# Altium PCB stm_intf_motor.PcbDoc
Units mm, origin at the board's own origin, x right, y up, seen from the top; angles counter-clockwise.
Board outline 73.75 x 57.5 mm, 2 copper layers (Top Layer, Bottom Layer); 51 components, 45 nets, 232 pads, 62 vias.
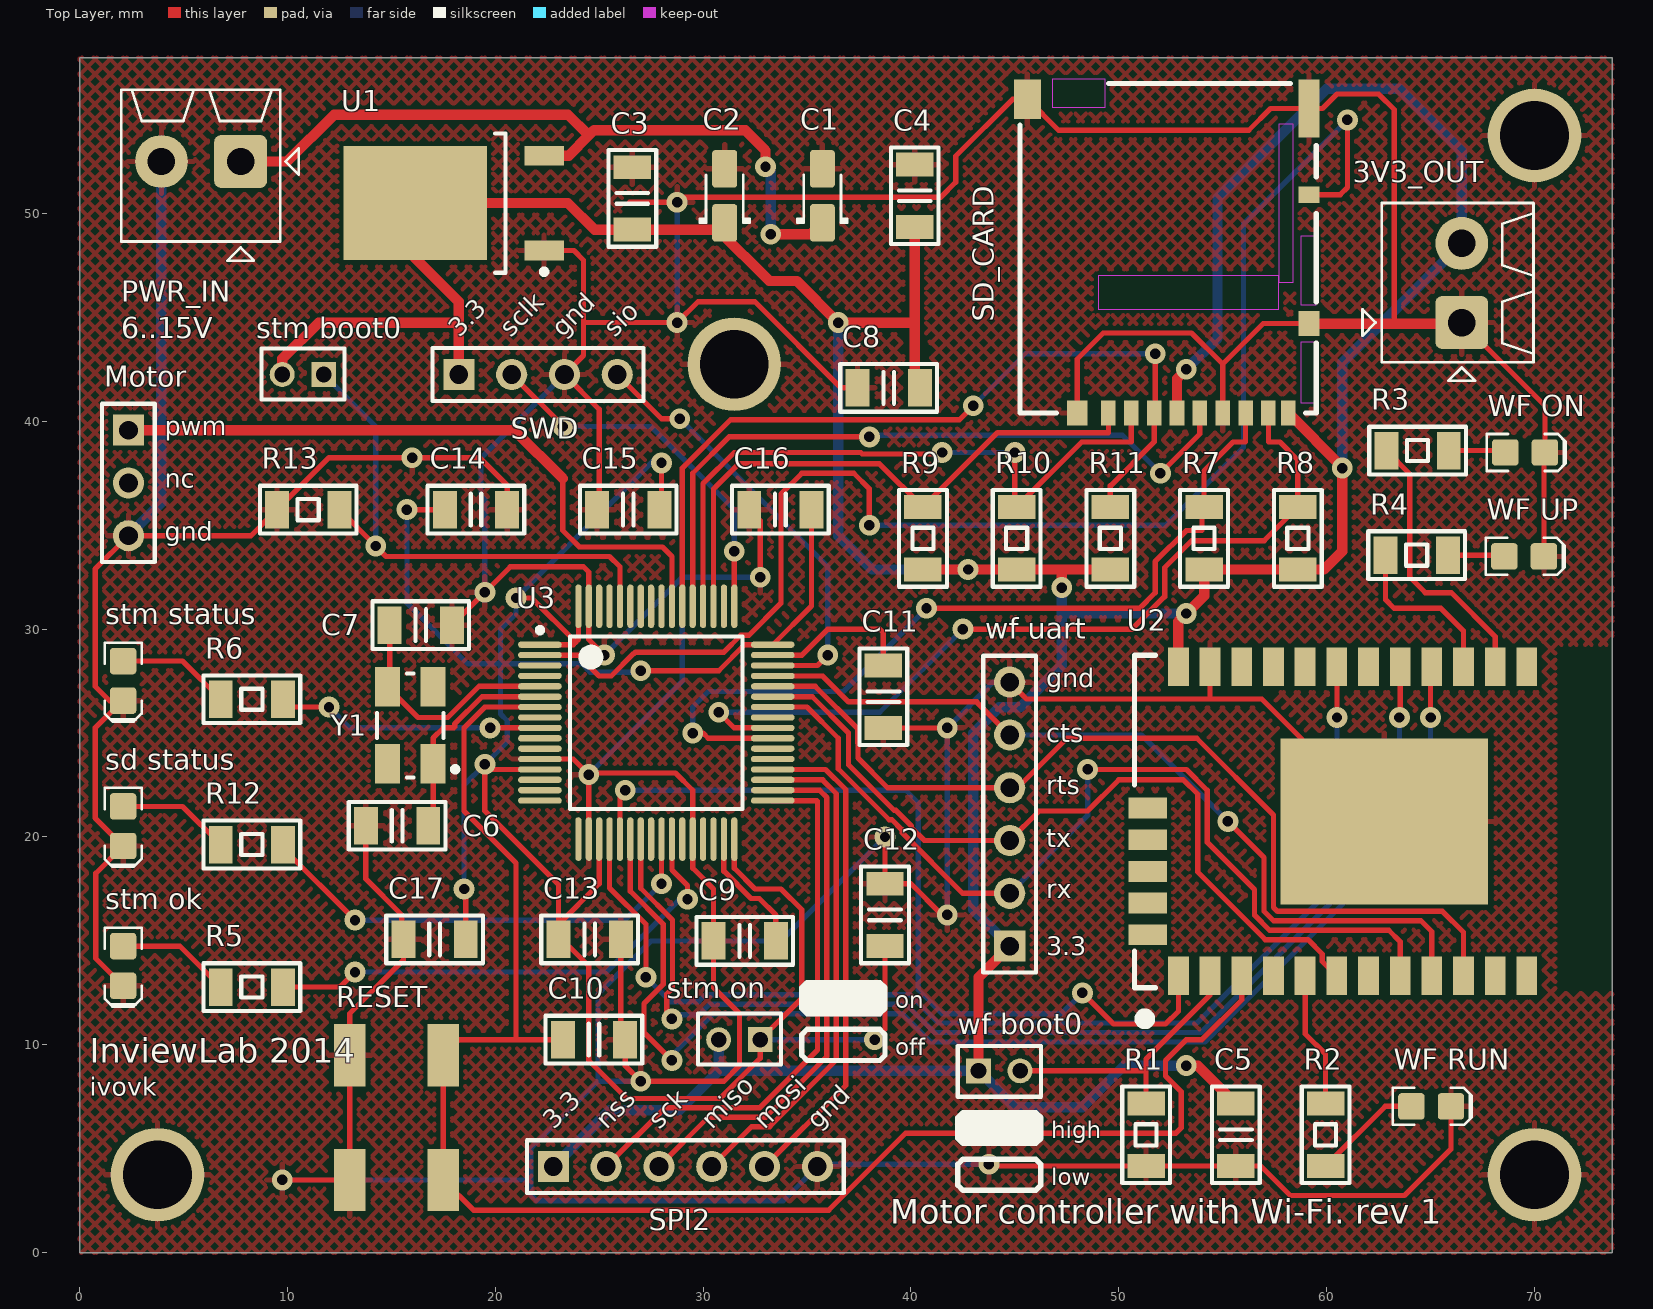
[diagram p0: Top Layer view]
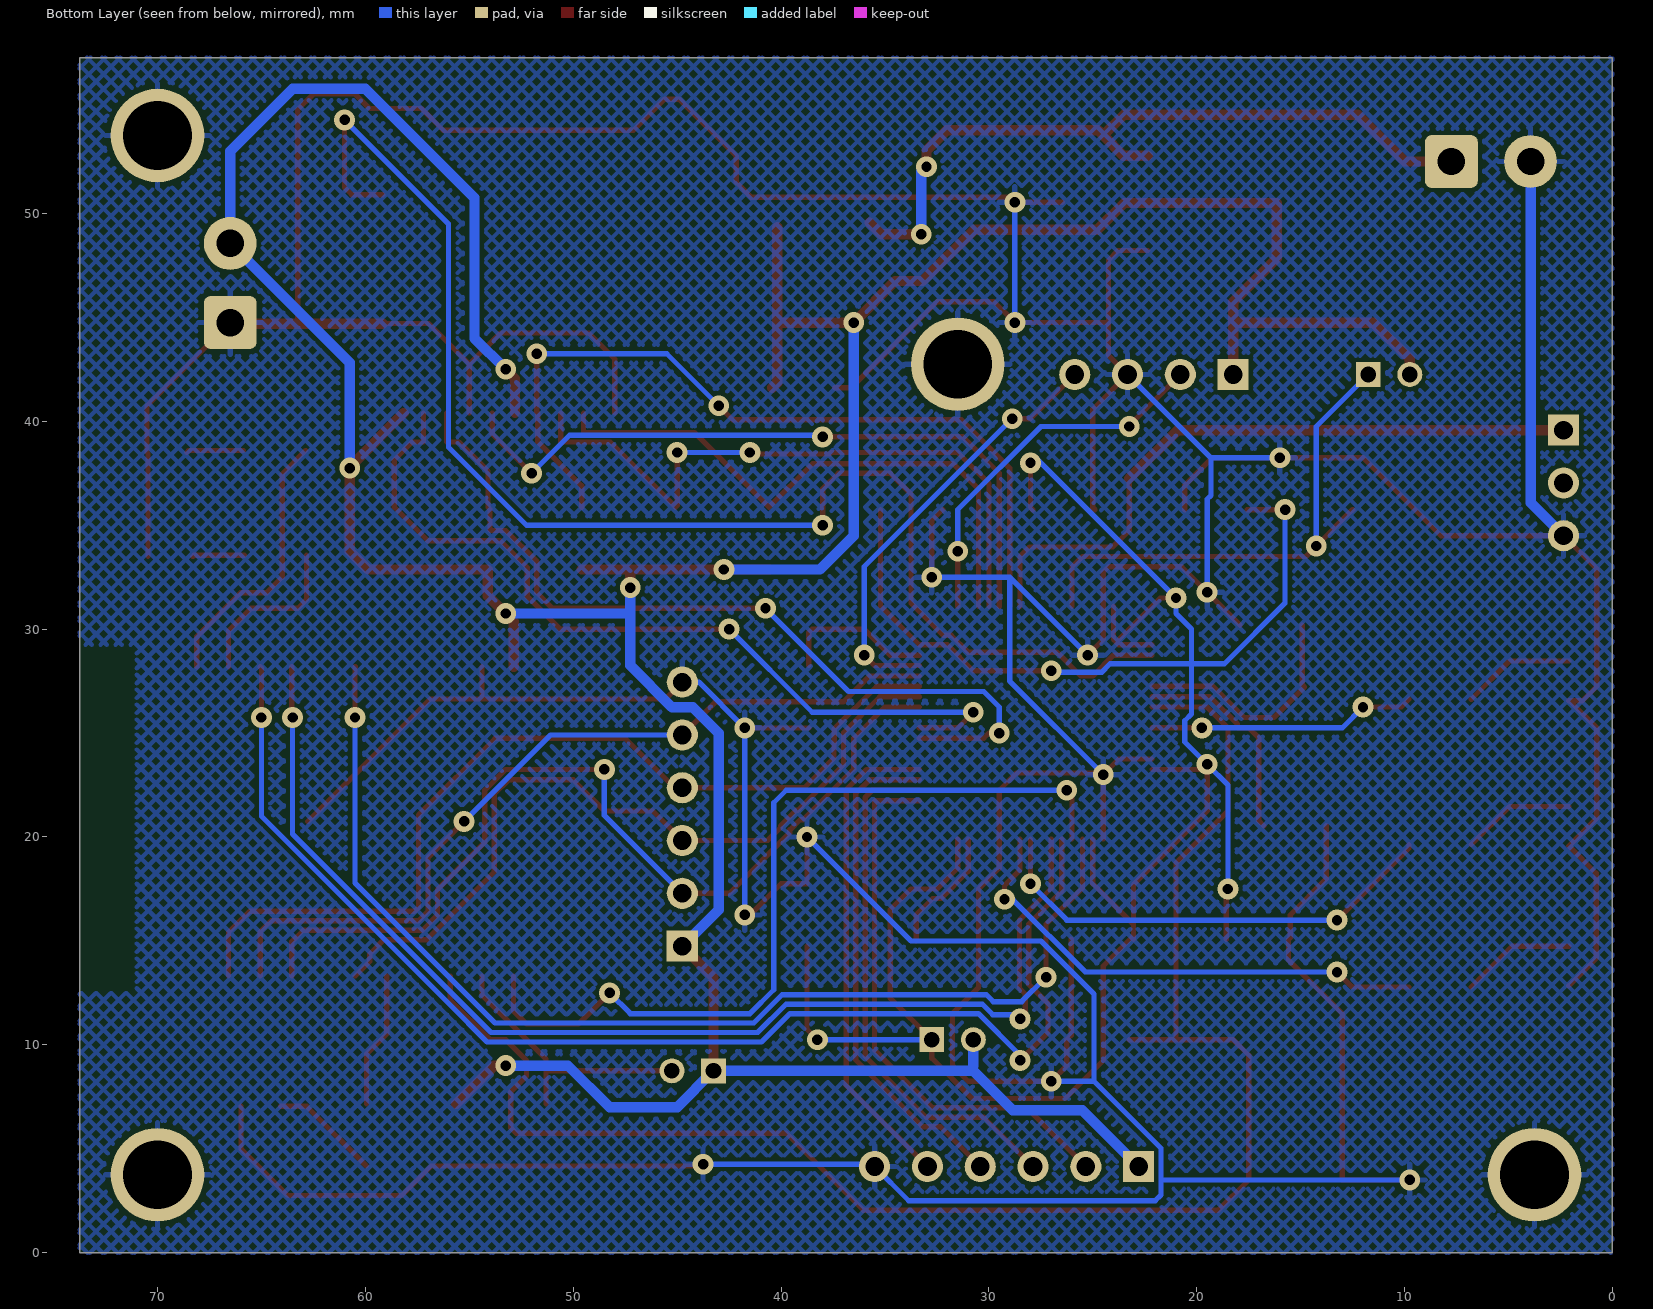
[diagram p1: Bottom Layer view, seen from below]

## Layer stack, top to bottom
Top Solder: solder mask 0.0102, Solder Resist, Dk 3.5
Top Layer: signal copper 0.0356
Dielectric 1: dielectric 0.32, FR-4, Dk 4.8
Bottom Layer: signal copper 0.0356
Bottom Solder: solder mask 0.0102, Solder Resist, Dk 3.5

## Board outline
0,0 0,57.5 73.75,57.5 73.75,0

## Design rules (kind name [scope] priority, off if disabled: settings)
Clearance Clearance_1 [Not InNetClass('STM') vs Not InNetClass('STM')] p1: gap=0.254 except(0.25: THPad-Fill SMDPad-Fill)
Clearance [InNetClass('STM')] p2: gap=0.2
PolygonConnect [All] p1: connectstyle=Relief reliefconductorwidth=0.254 reliefentries=4 polygonreliefangle="90 Angle" airgapwidth=0.254
RoutingVias [All] p1: holewidth=0.5 width=1 viastyle="Through Hole" minholewidth=0.3 minwidth=0.8 maxholewidth=0.7 maxwidth=1.2
SMDNeckDown [All] p1 off: percent=50.000
SilkToSolderMaskClearance [IsPad] p1: minsilkscreentomaskgap=0.15 clearancetoexposedcopper=TRUE
SolderMaskExpansion [All] p1: expansion=0.102
UnpouredPolygon [All] p1: allowunpoured=FALSE
Width Width_2 [All] p1: maxlimit=0.5 minlimit=0.15 preferedwidth=0.25
Width Width_1 [InNetClass('STM')] p2: maxlimit=0.5 minlimit=0.15 preferedwidth=0.25
Width [InNetClass('PWR')] p3: maxlimit=0.75 minlimit=0.25 preferedwidth=0.5
28 further rules are at their usual default settings.

## Classes and differential pairs
net class STM: C\S\2 GND MISO2 MOSI2 NetC6_1 NetC7_1 NetC9_1 NetC11_1 NetC12_2 NetR5_2 NetR6_2 NetR12_2 NetR13_1 NetU2_1 NetU2_16 NetU2_17 NetU2_19 NetU3_3 NetU3_4 NetU3_8 NetU3_10 NetU3_11 NetU3_14 NetU3_15 NetU3_16 NetU3_17 NetU3_24 NetU3_27 NetU3_29 NetU3_30 NetU3_37 NetU3_38 NetU3_41 NetU3_50 NetU3_56 NetU3_57 NetU3_58 NetU3_59 NetU3_61 NetU3_62 NRESET PWM_OUT SCK2 SDIO_CARD_DETECT SDIO_CLK SDIO_CMD SDIO_D0 SDIO_D1 SDIO_D2 SDIO_D3 SWDCLK SWDIO UART_CTS_WF UART_RTS_WF UART_RX_WF UART_TX_WF
net class PWR: 3.3VDC NetC12_2

## Components (designator, comment, footprint, x,y, rotation, side; value= is the part's Value field where it differs from the comment)
3V3_OUT "Stackable ScrewTerm" 2P_PCB_ScrewTerm_90S_3.81MM 66.5,44.75 r0 top
C1 "10uF" CAPMP3216X180N 35.738,50.848 r90 top
C2 "10uF" CAPMP3216X180N 31.039,50.848 r90 top
C3 "4.7uf" C_1206 26.594,50.721 r90 top
C4 "0.1uF" C_1206 40.183,50.848 r90 top
C5 "0.1uF" C_1206 55.631,5.67 r270 top
C6 "22pF" C_1206 15.276,20.541 r180 top
C7 "22pF" C_1206 16.419,30.193 r0 top
C8 "0.1uF" C_1206 38.926,41.607 r0 top
C9 "2.2uF" C_1206 32,15 r180 top
C10 "0.1uF" C_1206 24.75,10.25 r0 top
C11 "2.2uF" C_1206 38.672,26.748 r270 top
C12 "0.1uF" C_1206 38.75,16.25 r270 top
C13 "0.1uF" C_1206 24.541,15.075 r180 top
C14 "4.7uF" C_1206 19.073,35.75 r180 top
C15 "0.1uF" C_1206 26.396,35.75 r0 top
C16 "0.1uF" C_1206 33.719,35.75 r0 top
C17 "0.1uF" C_1206 17.082,15.075 r0 top
Motor "PLS-3" PLS-3-3D 2.35,39.575 r270 top
PWR_IN "Stackable ScrewTerm" 2P_PCB_ScrewTerm_90S_3.81MM 7.75,52.5 r90 top
R1 "10k" R_1206 51.313,5.67 r270 top
R2 "330" R_1206 59.949,5.67 r270 top
R3 "330" R_1206 64.374,38.59 r0 top
R4 "330" R_1206 64.33,33.559 r0 top
R5 "330" R_1206 8.291,12.778 r0 top
R6 "330" R_1206 8.291,26.626 r0 top
R7 "47k" R_1206 54.103,34.368 r90 top
R8 "47k" R_1206 58.611,34.368 r90 top
R9 "47k" R_1206 40.577,34.368 r90 top
R10 "47k" R_1206 45.086,34.368 r90 top
R11 "47k" R_1206 49.594,34.368 r90 top
R12 "330" R_1206 8.291,19.636 r0 top
R13 "10k" R_1206 11,35.75 r180 top
RESET "Reset" LTL613 15.25,6.5 r270 top
"sd status" "Color" LED-0805-K 2.096,20.52 r270 top
SD_CARD "MICROSD" DM3BT 49.5,41 r180 top
SPI2 "PLS-6" PLS-6-3D 22.797,4.142 r0 top
"stm boot0" "PLS2-2" PLS-2-2 11.75,42.25 r90 top
"stm ok" "Color" LED-0805-K 2.096,13.794 r270 top
"stm on" "PLS2-2" PLS-2-2 32.75,10.25 r90 top
"stm status" "Color" LED-0805-K 2.096,27.51 r270 top
SWD "PLS-4" PLS-4-3D 18.25,42.25 r0 top
U1 "LM1117IDT-3.3" TD03B_N 18,50.5 r180 top
U2 "SPWF01" CAC-152P2158X1524-24N 61.25,20.75 r90 top
U3 "STM32F405RG" LQFP64 27.75,25.5 r0 top
"wf boot0" "PLS2-2" PLS-2-2 43.25,8.75 r270 top
"WF ON" "Color" LED-0805-K 69.548,38.5 r0 top
"WF RUN" "Color" LED-0805-K 65.029,7.041 r0 top
"wf uart" "PLS-6" PLS-6-3D 44.75,14.75 r90 top
"WF UP" "Color" LED-0805-K 69.5,33.5 r0 top
Y1 "16MHz" 05H32 15.911,25.367 r90 top

## Footprints (in the part's own frame and the unit in brackets; to place one, negate y for a bottom-side part, rotate by r counter-clockwise, add the part's x,y. Pads: shape width x height; smd on the part's side, far side on the other; paste and mask are expansions set on the pad)
2P_PCB_ScrewTerm_90S_3.81MM [mil] "TERM BLOCK 2POS SIDE ENT STACKABLE 3.81MM"
  rrect25% 100x100 hole 52: 1(0,0)
  round 100 hole 52: 2(0,150)
  silkscreen extent -188,-110 136,226, body extent -152,-75 136,225, height 335
05H32 [mm] "Surface Mount Quartz Generator; Body 5.0 x 3.2 mm (LxW)"
  rect 1.9x1.2 smd: 1(-1.85,-1.1) 2(1.85,-1.1) 3(1.85,1.1) 4(-1.85,1.1)
  silkscreen extent -2.5,-2.28 2.5,1.6, body extent -2.5,-1.6 2.5,1.6, height 1.22
C_1206 [mm]
  rect 1.15x1.8 smd: 1(-1.5,0) 2(1.5,0)
  silkscreen extent -2.33,-1.15 2.33,1.15, body extent -1.6,-0.8 1.6,0.8, height 1
CAC-152P2158X1524-24N [mm] "Chip Array, Concave, 24-Leads, Pitch 1,52mm,  Body 21,59x15,24mm,  IPC Medium Density"
  rect 1.85x1 smd: 1(-7.435,8.382) 2(-7.435,6.858) 3(-7.435,5.334) 4(-7.435,3.81) 5(-7.435,2.286) 6(-7.435,0.762) 7(-7.435,-0.762) 8(-7.435,-2.286) 9(-7.435,-3.81) 10(-7.435,-5.334) 11(-7.435,-6.858) 12(-7.435,-8.382) 13(7.435,-8.382) 14(7.435,-6.858) 15(7.435,-5.334) 16(7.435,-3.81) 17(7.435,-2.286) 18(7.435,-0.762) 19(7.435,0.762) 20(7.435,2.286) 21(7.435,3.81) 22(7.435,5.334) 23(7.435,6.858) 24(7.435,8.382)
  rect 8x10 smd: 25(0,-1.518)
  rect 1x1.85 smd: 26(0.641,9.852) 27(-0.883,9.852) 28(-2.407,9.852) 29(-3.931,9.852) 30(-5.455,9.852)
  silkscreen extent -9.75,9.5 8,10.5, body extent -7.62,-16.91 7.62,10.01, height 1.51
CAPMP3216X180N [mm] "Capacitor, polarized, Molded Body, EIA 535BAAC size A; 3.20mm L X 1.60mm W X 1.80mm H"
  round 0.508 on Mech15: 0(0,0)
  rrect25% 1.8x1.2 smd: 1(-1.3,0) 2(1.3,0)
  silkscreen extent -1.3,-1.2 1,1.2, body extent -1.6,-0.8 1.6,0.8, height 1.8
DM3BT [mm]
  rect 0.7x1.2 smd: 1(0,0.6) 2(-1.1,0.6) 3(-2.2,0.6) 4(-3.3,0.6) 5(-4.4,0.6) 6(-5.5,0.6) 7(-6.6,0.6) 8(-7.7,0.6) 9(-8.65,0.6)
  rect 1x1.2 smd: 6(-9.65,-3.7) 6(1.5,0.6)
  rect 1x2.8 smd: 6(-9.65,-14.05)
  rect 1.3x1.9 smd: 6(3.9,-14.5)
  rect 1x0.8 smd: 10(-9.65,-9.9)
  Top Layer keep-out region: 0.15,-15.45 2.7,-15.45 2.7,-14.1 0.15,-14.1
  Top Layer keep-out region: -8.9,-13.3 -8.2,-13.3 -8.2,-5.7 -8.9,-5.7
  Top Layer keep-out region: -8.2,-6 0.5,-6 0.5,-4.4 -8.2,-4.4
  Top Layer keep-out region: -10,-2.8 -9.25,-2.8 -9.25,0.1 -10,0.1
  Top Layer keep-out region: -10,-7.9 -9.25,-7.9 -9.25,-4.6 -10,-4.6
  silkscreen extent -10,-15.25 4.25,0.6, body extent -9.75,-15.35 4.1,0.8, height 1.68
LED-0805-K [mil]
  round 20 on Mech15: 0(0,0)
  rrect25% 50x50 smd: A(-37.5,0) K(37.5,0)
  Top Layer pour cut-out: -15,30 15,30 15,-30 -15,-30
  silkscreen extent -73,-35 77,35, body extent -39,-25 39,25, height 31
LQFP64 [mm] "Thin QFP, 64-Leads, Body 10x10mm, Pitch 0.5mm, IPC Low Density"
  oval 2.1x0.3 smd: 1(-5.6,3.75) 2(-5.6,3.25) 3(-5.6,2.75) 4(-5.6,2.25) 5(-5.6,1.75) 6(-5.6,1.25) 7(-5.6,0.75) 8(-5.6,0.25) 9(-5.6,-0.25) 10(-5.6,-0.75) 11(-5.6,-1.25) 12(-5.6,-1.75) 13(-5.6,-2.25) 14(-5.6,-2.75) 15(-5.6,-3.25) 16(-5.6,-3.75) 33(5.6,-3.75) 34(5.6,-3.25) 35(5.6,-2.75) 36(5.6,-2.25) 37(5.6,-1.75) 38(5.6,-1.25) 39(5.6,-0.75) 40(5.6,-0.25) 41(5.6,0.25) 42(5.6,0.75) 43(5.6,1.25) 44(5.6,1.75) 45(5.6,2.25) 46(5.6,2.75) 47(5.6,3.25) 48(5.6,3.75)
  oval 0.3x2.1 smd: 17(-3.75,-5.6) 18(-3.25,-5.6) 19(-2.75,-5.6) 20(-2.25,-5.6) 21(-1.75,-5.6) 22(-1.25,-5.6) 23(-0.75,-5.6) 24(-0.25,-5.6) 25(0.25,-5.6) 26(0.75,-5.6) 27(1.25,-5.6) 28(1.75,-5.6) 29(2.25,-5.6) 30(2.75,-5.6) 31(3.25,-5.6) 32(3.75,-5.6) 49(3.75,5.6) 50(3.25,5.6) 51(2.75,5.6) 52(2.25,5.6) 53(1.75,5.6) 54(1.25,5.6) 55(0.75,5.6) 56(0.25,5.6) 57(-0.25,5.6) 58(-0.75,5.6) 59(-1.25,5.6) 60(-1.75,5.6) 61(-2.25,5.6) 62(-2.75,5.6) 63(-3.25,5.6) 64(-3.75,5.6)
  silkscreen extent -5.72,-4.15 4.15,4.57, body extent -6,-6 6,6, height 1.6
LTL613 [mm]
  rect 3x1.5 smd: 0(-3,-2.25) 0(3,-2.25) 1(-3,2.25) 1(3,2.25)
  body extent -4.04,-3 4.04,3, height 5
PLS-2-2 [mm] "Connector; Header; 1x2 Position"
  rect 1.2x1.2 hole 0.75: 1(0,0)
  round 1.2 hole 0.75: 2(0,2)
  silkscreen extent -1.2,-1 1.25,3, body extent -1.2,-1 1.2,3, height 5.5
PLS-3-3D [mm] "Connector; Header; 3 Position"
  rect 1.5x1.5 hole 0.9: 1(0,0)
  round 1.5 hole 0.9: 2(2.54,0) 3(5.08,0)
  silkscreen extent -1.27,-1.27 6.35,1.27, body extent -1.27,-1.27 6.35,1.27, height 8.44
PLS-4-3D [mm] "Connector; Header; 4 Position"
  rect 1.5x1.5 hole 0.9: 1(0,0)
  round 1.5 hole 0.9: 2(2.54,0) 3(5.08,0) 4(7.62,0)
  silkscreen extent -1.27,-1.27 8.89,1.27, body extent -1.27,-1.27 8.89,1.27, height 8.44
PLS-6-3D [mm] "Connector; Header; 6 Position"
  rect 1.5x1.5 hole 0.9: 1(0,0)
  round 1.5 hole 0.9: 2(2.54,0) 3(5.08,0) 4(7.62,0) 5(10.16,0) 6(12.7,0)
  silkscreen extent -1.27,-1.27 13.97,1.27, body extent -1.27,-1.27 13.97,1.27, height 8.44
R_1206 [mm]
  rect 1.15x1.8 smd: 1(-1.5,0) 2(1.5,0)
  silkscreen extent -2.32,-1.15 2.33,1.15, body extent -1.6,-0.8 1.6,0.8, height 1
TD03B_N [mm] "D-PAK, 4-Leads, Body 6.1x6.6mm, Pitch 2.29mm, Lead Span 9.7mm, IPC Medium Density"
  rect 1.9x0.95 smd: 1(-4.35,2.28) 3(-4.35,-2.28)
  rect 6.9x5.5 smd: 4(1.85,0)
  silkscreen extent -4.47,-3.35 -2,3.43, body extent -2.5,-3.35 3.7,3.35, height 2.38

## Part data
3V3_OUT PWR_IN: library part 2P_ScrewTerm_90S_3.81MM, "Terminal Block Screw Type THT 2-Position 3.81mm pitch"
C1 C2: library part CAP_TANT_TYPE_A, "Capacitor SMD Tantalum 4.7uF 10% 16V 3216-18"
C3 C4 C6 C7: library part C1206, "Capacitor"
C5 C8 C9 C10 C11 C12 C13 C14 C15 C16 C17: library part CAP_SMD_1206, "Capacitor"
Motor: "Header, 3-Pin"
R1 R2 R3 R4 R5 R6 R7 R8 R9 R10 R11 R12 R13: library part R1206, "Resistor"
RESET: library part Button_tact, "Tact button switch"
"sd status" "stm ok" "stm status" "WF ON" "WF RUN" "WF UP": library part LED_SMD_Green_0805_6mcd, "LED, 0805 SMD, Green"
SD_CARD: "Micro SD connector DM3AT-SF-PEJM5"
SPI2 "wf uart": "Header, 6-Pin"
"stm boot0" "stm on" "wf boot0": "Header, 2-Pin"
SWD: "Header, 4-Pin"
U1: "800mA Low-Dropout Linear Regulator"
U2: "UART-WIFI module"
U3: library part STM32F415RG, "ST ARM MC"
Y1: library part Y_H53, "Quartz Generator"

## Free pads (board coordinates)
  round 4.5 hole 3.3: 0(3.75,3.75) 0(31.5,42.75) 0(70,3.75) 0(70,53.75)

## Via types
v1: diameter 1, hole 0.5, Top Layer to Bottom Layer, tented top, 62 vias

## Nets (pads, with @x,y where several pads share a name; then routed paths per layer and width w, separated by ;. In a path a pad name is that pad's centre, name@x,y a point inside that pad or via, vN(x,y) a via of type N, cw(c..) or ccw(c..) an arc to the next point about the centre after c; other vN are vias at no path point)
3.3VDC: 3V3_OUT.2 "stm boot0.2" "stm on.2" "wf boot0.1" "wf uart.1" C2.1 C3.1 C4.1 C5.1 C8.2 R7.1 R8.1 R9.1 R10.1 R11.1 SD_CARD.4 SD_CARD.9 SPI2.1 SWD.1 U1.4 U2.24 | length 215.4
  Top Layer w0.5: 9.75,42.25 9.75,43 11.5,44.75 18.25,44.75 ; SWD.1 18.25,44.75 ; 40.065,44.75 v1(36.5,44.75) 34.5,46.75 33.183,46.75 30.712,49.221 C3.1 24.779,49.221 23.5,50.5 U1.4 16.15,47.85 18.25,45.75 18.25,44.75 ; C4.1 40.183,43.817 40.183,41.85 C8.2 ; R9.1 v1(42.75,32.868) R10.1 47.25,32.868 ; 43.25,8.75 43.25,13.25 44.75,14.75 ; v1(47.25,32) 47.25,32.868 ; R11.1 47.25,32.868 ; SD_CARD.4 52.8,42.05 v1(53.25,42.5) ; U2.24 52.868,30.368 v1(53.25,30.75) 54.103,31.603 R7.1 R8.1 59.868,32.868 60.75,33.75 v1(60.75,37.75) 60.75,37.8 SD_CARD.9 ; v1(53.25,9) 53.801,9 C5.1
  Bottom Layer w0.5: SPI2.1 25.5,6.845 28.845,6.845 30.75,8.75 43.25,8.75 45,7 48.25,7 50.25,9 v1(53.25,9) ; 30.75,9 30.75,10.25 ; v1(36.5,44.75) 36.5,34.5 38.132,32.868 v1(42.75,32.868) ; 44.75,14.75 43,16.5 43,25 44.25,26.25 45.247,26.25 47.25,28.253 47.25,30.75 ; v1(47.25,32) 47.25,30.75 ; v1(53.25,30.75) 47.25,30.75 ; v1(53.25,42.5) 54.75,44 54.75,50.75 60,56 63.5,56 66.5,53 3V3_OUT.2 60.75,42.81 v1(60.75,37.75)
C\S\2: SPI2.2 U3.33 | length 26.6
  Top Layer w0.254: SPI2.2 28.164,6.969 32.719,6.969 35.5,9.75 35.5,21.716 35.466,21.75 U3.33
GND: 3V3_OUT.1 "sd status.K" "stm ok.K" "stm status.K" "WF ON.K" "WF RUN.K" "wf uart.6" "WF UP.K" C1.2 C2.2 C3.2 C4.2 C5.2 C6.2 C7.2 C8.1 C9.2 C10.2 C11.2 C12.1 C13.1 C14.1 C15.1 C16.1 C17.1 Motor.3 pad.0 PWR_IN.2 R1.2 R13.2 RESET.0 SD_CARD.6 SPI2.6 SWD.3 U1.1 U2.23 U2.25 U3.12 U3.18 U3.28 U3.63 | length 437.9
  Top Layer w0.254: 2.096,12.842 0.779,14.159 0.779,18.25 2.096,19.567 0.75,20.913 0.75,25.25 2.058,26.558 ; 2.096,26.558 2.058,26.558 ; v1(9.75,3.5) 13,3.5 13,9.5 13,11.5 15.582,14.082 C17.1 15.5,15.157 15.5,16.25 13.776,17.974 C6.2 ; C7.2 20.726,33 24.25,33 24.5,32.75 U3.63 24.5,29.5 v1(25.25,28.75) ; C14.1 20.573,36.927 19.25,38.25 v1(16,38.25) 12,38.25 R13.2 8.245,34.495 Motor.3 0.75,32.895 0.75,27.25 1.442,26.558 2.058,26.558 ; U3.12 23.75,23.75 v1(24.5,23) ; U1.1 23.78,48.22 24.25,47.75 24.25,44.75 ; U3.18 v1(24.5,23) ; C15.1 25,35.854 25,40.58 SWD.3 24.25,43.17 24.25,44.75 ; C13.1 26.041,10.459 C10.2 26.25,9 v1(27,8.25) 31,8.25 31.75,9 31.75,11.5 30.5,12.75 C9.2 30.5,17.5 29.5,18.5 U3.28 29.5,22.25 28.673,23.077 24.577,23.077 v1(24.5,23) ; 26.476,50.537 v1(28.75,50.537) 28.988,50.775 41.428,50.775 42.151,51.498 42.151,52.75 44.901,55.5 45.6,55.5 47.1,54 56.25,54 57.3,55.05 59.15,55.05 59.8,55.05 60.5,55.75 62.5,55.75 63.25,55 63.25,44.7 ; C16.1 32.75,35.219 v1(32.75,32.5) ; C8.1 36.643,41.607 32.5,45.75 29.75,45.75 v1(28.75,44.75) 24.25,44.75 ; C11.2 41.748,25.248 v1(41.75,25.25) ; v1(38.75,20) C12.1 40,17.75 41.5,16.25 v1(41.75,16.25) ; v1(43.75,4.25) 43.83,4.17 R1.2 C5.2 56.83,4.17 58.25,2.75 63.75,2.75 65.982,4.982 65.982,7.041 ; 44.75,27.45 45.558,26.642 54.392,26.642 ; SD_CARD.6@48,40.4 48,43 49.25,44.25 53.5,44.25 55,42.75 ; U2.23 54.392,26.642 ; SD_CARD.6@55,40.4 55,42.75 ; SD_CARD.6@59.15,44.7 56.95,44.7 55,42.75 ; U2.25 56.876,26.642 54.392,26.642 ; 3V3_OUT.1 70.5,40.75 70.5,38.5 ; 70.452,33.5 70.452,38.452
  Top Layer w0.5: SD_CARD.6@59.15,44.7 63.25,44.7 66.45,44.7 3V3_OUT.1
  Bottom Layer w0.254: v1(9.75,3.5) 21.72,3.5 ; v1(16,38.25) 19.315,38.25 ; v1(19.5,31.774) 19.5,36.25 19.315,36.435 19.315,38.25 ; SWD.3 19.322,38.242 19.315,38.25 ; v1(24.5,23) 29,27.5 29,32.5 ; v1(25.25,28.75) 29,32.5 ; v1(27,8.25) 24.943,8.25 ; v1(28.75,44.75) v1(28.75,50.537) ; v1(32.75,32.5) 29,32.5 ; v1(38.75,20) 33.75,15 27.5,15 24.943,12.443 24.943,8.25 ; v1(41.75,16.25) v1(41.75,25.25) 43.95,27.45 44.75,27.45 ; v1(43.75,4.25) 35.605,4.25 SPI2.6 33.855,2.5 22,2.5 21.72,2.78 21.72,3.5 ; 21.72,3.5 21.72,5.027 24.943,8.25
  Bottom Layer w0.5: Motor.3 3.94,36.085 PWR_IN.2
MISO2: SPI2.4 U3.35 | length 24.3
  Top Layer w0.254: SPI2.4 32.336,6.061 33.203,6.061 36.408,9.266 36.408,22.092 35.75,22.75 U3.35
MOSI2: SPI2.5 U3.36 | length 23.7
  Top Layer w0.254: SPI2.5 36.862,8.047 36.862,22.28 35.892,23.25 U3.36
NetC1_1: C1.1 PWR_IN.1 U1.3 | length 36.5
  Top Layer w0.5: PWR_IN.1 10,52.5 12.25,54.75 23.5,54.75 24.5,53.75 ; U1.3 23.53,52.78 24.5,53.75 ; v1(33,52.25) 33,53.03 32.03,54 24.75,54 24.5,53.75 ; v1(33.25,49) 35.189,49 C1.1
  Bottom Layer w0.5: v1(33,52.25) 33.25,52 v1(33.25,49)
NetC6_1: C6.1 U3.6 Y1.1 | length 10.4
  Top Layer w0.254: C6.1 17.011,20.776 Y1.1 17.011,24.761 17.5,25.25 18,25.25 18.046,25.296 18.046,25.438 19.358,26.75 U3.6
NetC7_1: C7.1 U3.5 Y1.3 | length 11.6
  Top Layer w0.254: C7.1 14.919,27.325 Y1.3 16.278,25.75 17.716,25.75 19.216,27.25 U3.5
NetC9_1: C9.1 U3.31 | length 6.2
  Top Layer w0.254: U3.31 31,18.358 32.312,17.046 32.704,17.046 33.5,16.25 C9.1
NetC11_1: C11.1 U3.47 | length 7.5
  Top Layer w0.254: U3.47 34.75,28.75 36,30 38.5,30 38.672,29.828 C11.1
NetC12_2: "stm on.1" C12.2 C13.2 C14.2 C15.2 C16.2 C17.2 U3.1 U3.13 U3.19 U3.32 U3.48 U3.64 | length 128
  Top Layer w0.254: v1(15.75,35.75) C14.2 ; v1(18.5,17.5) 18.582,17.418 C17.2 ; v1(21,31.5) 21.75,31.5 23.875,29.375 ; U3.13 19.75,23.25 v1(19.5,23.5) 19.5,21.25 23.041,17.709 C13.2@23.041,15.791 ; U3.1 23.75,29.25 23.875,29.375 ; C13.2 C13.2@23.041,15.25 ; U3.64 24,29.5 23.875,29.375 ; U3.19 25,17.75 C13.2@23.041,15.791 ; v1(27,28) 30.75,28 32,29.25 U3.48 35.219,31.119 C16.2 ; C15.2 28,35.854 v1(28,38) ; U3.32 31.5,18.5 32.5,17.5 33.75,17.5 34.75,16.5 34.75,12.25 32.75,10.25 32.75,9.358 30.815,7.423 26.327,7.423 24.5,9.25 24.5,13.791 C13.2@23.041,15.25 ; v1(38.25,10.25) 38.75,10.75 C12.2 ; C13.2@23.041,15.25 C13.2@23.041,15.791
  Bottom Layer w0.254: v1(15.75,35.75) 15.75,31.25 18.665,28.335 20.25,28.335 ; v1(18.5,17.5) 18.5,22.5 v1(19.5,23.5) 20.577,24.577 20.577,25.593 20.25,25.92 20.25,28.335 ; v1(27,28) 26.923,27.923 24.577,27.923 24.165,28.335 20.25,28.335 ; v1(28,38) 27.75,38.25 v1(21,31.5) 21,30.75 20.25,30 20.25,28.335 ; 32.75,10.25 v1(38.25,10.25)
NetR1_1: "wf boot0.2" R1.1 U2.2 | length 13.5
  Top Layer w0.254: 45.25,8.75 51.313,8.75 ; R1.1 51.313,8.75 ; U2.2 54.392,12.392 51.313,9.313 51.313,8.75
NetR2_1: R2.1 U2.5 | length 6.6
  Top Layer w0.254: U2.5 58.964,10.536 59.949,9.551 R2.1
NetR2_2: "WF RUN.A" R2.2 | length 5.3
  Top Layer w0.254: R2.2 62.82,7.041 64.077,7.041
NetR3_1: R3.1 U2.14 | length 13.3
  Top Layer w0.254: R3.1 64,37.464 64,32.5 64.75,31.75 66,31.75 68.108,29.642 U2.14
NetR3_2: "WF ON.A" R3.2 | length 2.8
  Top Layer w0.254: R3.2 68.505,38.59 68.595,38.5
NetR4_1: R4.1 U2.15 | length 8.2
  Top Layer w0.254: R4.1 62.83,31.42 63.25,31 65.5,31 66.584,29.916 U2.15
NetR4_2: "WF UP.A" R4.2 | length 2.5
  Top Layer w0.254: R4.2 68.238,33.559 68.297,33.5
NetR5_1: "stm ok.A" R5.1 | length 5.5
  Top Layer w0.254: 2.096,14.747 4.822,14.747 R5.1
NetR5_2: R5.2 U3.26 | length 24.4
  Top Layer w0.254: R5.2 12.528,12.778 v1(13.25,13.5) ; U3.26 28.5,18.419 29.25,17.669 v1(29.25,17)
  Bottom Layer w0.254: v1(13.25,13.5) 25.358,13.5 28.858,17 v1(29.25,17)
NetR6_1: "stm status.A" R6.1 | length 5.5
  Top Layer w0.254: 2.096,28.463 4.955,28.463 R6.1
NetR6_2: R6.2 U3.9 | length 12.9
  Top Layer w0.254: R6.2 10.167,26.25 v1(12,26.25) ; v1(19.75,25.25) U3.9
  Bottom Layer w0.254: v1(12,26.25) 13,25.25 v1(19.75,25.25)
NetR12_1: "sd status.A" R12.1 | length 5.5
  Top Layer w0.254: 2.096,21.472 4.955,21.472 R12.1
NetR12_2: R12.2 U3.25 | length 22.7
  Top Layer w0.254: R12.2 9.791,19.459 v1(13.25,16) ; v1(28,17.75) U3.25
  Bottom Layer w0.254: v1(13.25,16) 26.25,16 v1(28,17.75)
NetR13_1: "stm boot0.1" R13.1 U3.60 | length 25.8
  Top Layer w0.254: R13.1 v1(14.25,34) 14.75,33.5 25.5,33.5 26,33 U3.60
  Bottom Layer w0.254: 11.75,42.25 14.25,39.75 v1(14.25,34)
NetU2_1: U2.1 U3.21 | length 41.8
  Top Layer w0.254: U3.21 26,22 v1(26.25,22.25) ; v1(48.25,12.5) 49.75,11 52.25,11 52.868,11.618 U2.1
  Bottom Layer w0.254: v1(26.25,22.25) 39.75,22.25 40.352,21.648 40.352,12.648 41.5,11.5 47.25,11.5 v1(48.25,12.5)
NetU2_16: U2.16 U3.22 | length 62.1
  Top Layer w0.254: U3.22 26.5,17.392 28.077,15.815 28.077,12.907 27.152,11.982 27.152,10.598 v1(28.5,9.25) ; v1(65,25.75) 65,28.125 U2.16
  Bottom Layer w0.254: v1(28.5,9.25) 28.5,9.5 30.5,11.5 39.574,11.5 40.936,10.138 54.138,10.138 56,12 65,21 v1(65,25.75)
NetU2_17: U2.17 U3.23 | length 57.4
  Top Layer w0.254: U3.23 27,17.534 28.531,16.003 28.531,12.719 28.25,12.438 28.25,11.5 v1(28.5,11.25) ; v1(63.5,25.75) 63.536,25.786 U2.17
  Bottom Layer w0.254: v1(28.5,11.25) 28.704,11.454 29.812,11.454 30.312,11.954 39.762,11.954 41.124,10.592 53.95,10.592 63.5,20.142 v1(63.5,25.75)
NetU2_19: U2.19 U3.20 | length 55
  Top Layer w0.254: U3.20 25.5,17.553 27.25,15.803 v1(27.25,13.25) ; U2.19 60.5,28.173 v1(60.5,25.75)
  Bottom Layer w0.254: v1(27.25,13.25) 28.423,12.077 29.793,12.077 30.124,12.408 39.95,12.408 41.312,11.046 53.762,11.046 60.5,17.784 v1(60.5,25.75)
NRESET: C10.1 RESET.1 U2.3 U3.7 | length 79.5
  Top Layer w0.254: U3.7 19.5,26.25 18.5,25.25 18.5,21.25 21,18.75 21,10.25 ; C10.1 21,10.25 ; U2.3 55.916,12.166 54,10.25 53.25,10.25 52.25,9.25 52.25,8.5 53,7.75 53,6 52.75,5.75 39.75,5.75 36.046,2.046 18.954,2.046 17.5,3.5 17.5,9.5 18.25,10.25 21,10.25
PWM_OUT: Motor.1 U3.55 | length 32.5
  Top Layer w0.254: 23.25,37.25 23.25,34.75 24.046,33.954 28.046,33.954 28.5,33.5 U3.55
  Top Layer w0.5: Motor.1 20.925,39.575 23.25,37.25
SCK2: SPI2.3 U3.34 | length 25.5
  Top Layer w0.254: SPI2.3 30.25,6.515 33.015,6.515 35.954,9.454 35.954,21.904 35.608,22.25 U3.34
SDIO_CARD_DETECT: SD_CARD.10 U3.2 | length 68.1
  Top Layer w0.254: U3.2 24,28.75 25,27.75 25.58,27.75 26.657,28.827 26.685,28.827 26.75,28.892 31,28.892 31.812,29.704 32.204,29.704 33.75,31.25 33.75,36.5 34.75,37.5 37.25,37.5 38,36.75 v1(38,35) ; SD_CARD.10 60.65,50.9 61,51.25 v1(61,54.5)
  Bottom Layer w0.254: v1(38,35) 52.25,35 56,38.75 56,49.5 v1(61,54.5)
SDIO_CLK: SD_CARD.5 U3.53 | length 34.1
  Top Layer w0.254: U3.53 29.5,37.5 31.25,39.25 v1(38,39.25) ; v1(52,37.5) 53.9,39.4 SD_CARD.5
  Bottom Layer w0.254: v1(38,39.25) 38.077,39.327 50.173,39.327 v1(52,37.5)
SDIO_CMD: R11.2 SD_CARD.3 U3.54 | length 40
  Top Layer w0.254: U3.54 29,37.75 31.327,40.077 42.327,40.077 v1(43,40.75) ; R11.2 49.594,36.894 51.7,39 SD_CARD.3 51.75,40.45 v1(51.75,43.25)
  Bottom Layer w0.254: v1(43,40.75) 45.5,43.25 v1(51.75,43.25)
SDIO_D0: R7.2 SD_CARD.7 U3.39 | length 41
  Top Layer w0.254: v1(29.5,25) 30,25 30.25,24.75 U3.39 ; v1(40.75,31) 51,31 51.75,31.75 51.75,33.25 53.25,34.75 54,34.75 54,35.766 R7.2 54.103,37.603 55.5,39 56.1,39 SD_CARD.7
  Bottom Layer w0.254: v1(29.5,25) 29.5,26.25 30.25,27 36.75,27 v1(40.75,31)
SDIO_D1: R8.2 SD_CARD.8 U3.40 | length 41.1
  Top Layer w0.254: v1(30.75,26) 31.5,25.25 U3.40 ; v1(42.5,30) 50.642,30 52.204,31.562 52.204,32.954 53.5,34.25 56.993,34.25 R8.2 58.611,38.139 57.75,39 57.2,39 SD_CARD.8
  Bottom Layer w0.254: v1(30.75,26) 38.5,26 v1(42.5,30)
SDIO_D2: R9.2 SD_CARD.1 U3.51 | length 28.4
  Top Layer w0.254: U3.51 30.5,36.75 31.704,37.954 38.491,37.954 R9.2 44.163,39.454 49.5,39.454 SD_CARD.1
SDIO_D3: R10.2 SD_CARD.2 U3.52 | length 32.5
  Top Layer w0.254: U3.52 30,37 31.5,38.5 37.58,38.5 37.657,38.423 41.423,38.423 v1(41.5,38.5) ; v1(45,38.5) 45,35.954 R10.2 48.217,39 50.6,39 SD_CARD.2
  Bottom Layer w0.254: v1(41.5,38.5) v1(45,38.5)
SWDCLK: SWD.2 U3.49 | length 18.1
  Top Layer w0.254: SWD.2 23.25,39.79 v1(23.25,39.75) ; U3.49 v1(31.5,33.75)
  Bottom Layer w0.254: v1(23.25,39.75) 27.5,39.75 31.5,35.75 v1(31.5,33.75)
SWDIO: SWD.4 U3.46 | length 21.1
  Top Layer w0.254: SWD.4 28,40.12 v1(28.88,40.12) ; U3.46 35.5,28.25 v1(36,28.75)
  Bottom Layer w0.254: v1(28.88,40.12) 36,33 v1(36,28.75)
UART_CTS_WF: "wf uart.5" U2.9 U3.45 | length 40.4
  Top Layer w0.254: U3.45 35.75,27.75 37,26.5 43.16,26.5 44.75,24.91 ; v1(55.25,20.75) 56.987,19.013 56.987,16.427 57.444,15.969 64.531,15.969 65.06,15.44 U2.9
  Bottom Layer w0.254: 44.75,24.91 51.09,24.91 v1(55.25,20.75)
UART_RTS_WF: "wf uart.4" U2.10 U3.44 | length 45.6
  Top Layer w0.254: U3.44 35.392,27.25 37.445,25.197 37.445,24.538 37.454,24.529 37.454,23.796 38.88,22.37 44.75,22.37 45.12,22.37 47.5,24.75 53.75,24.75 57.441,21.059 57.441,16.615 57.633,16.423 65.577,16.423 66.584,15.416 U2.10
UART_RX_WF: "wf uart.2" U2.8 U3.42 | length 45.9
  Top Layer w0.254: U3.42 35,26.25 36.5,24.75 36.5,23.284 38.957,20.827 39.093,20.827 39.577,20.343 39.577,20.207 42.494,17.29 44.75,17.29 ; v1(48.5,23.25) 53.25,23.25 54.25,22.25 54.25,19.75 56.533,17.467 56.533,16.238 57.256,15.515 62.985,15.515 63.536,14.964 U2.8
  Bottom Layer w0.254: 44.75,17.29 48.5,21.04 v1(48.5,23.25)
UART_TX_WF: "wf uart.3" U2.6 U3.43 | length 38.5
  Top Layer w0.254: U3.43 35.25,26.75 36.991,25.009 36.991,24.349 37,24.341 37,23.476 39.195,21.281 39.281,21.281 40.031,20.531 40.031,20.445 40.646,19.83 44.75,19.83 46.17,21.25 48.5,21.25 50,22.75 53.108,22.75 53.796,22.062 53.796,18.312 57.047,15.061 59.105,15.061 59.791,14.375 59.791,14.012 U2.6
pads on no net: "sd status.0" "stm ok.0" "stm status.0" "WF ON.0" "WF RUN.0" "WF UP.0" C1.0 C2.0 Motor.2 U2.4 U2.7 U2.11 U2.12 U2.13 U2.18 U2.20 U2.21 U2.22 U2.26 U2.27 U2.28 U2.29 U2.30 U3.3 U3.4 U3.8 U3.10 U3.11 U3.14 U3.15 U3.16 U3.17 U3.24 U3.27 U3.29 U3.30 U3.37 U3.38 U3.41 U3.50 U3.56 U3.57 U3.58 U3.59 U3.61 U3.62 Y1.2 Y1.4

## Polygon pours and split planes (outlines as drawn)
GND on Top Layer "Top Layer-No Net" (hatched 45Degree grid 0.508 track 0.203, pour order 7): 0,0 0,57.5 73.75,57.5 73.75,29.25 71,29.25 71,13.25 71,12.5 73.75,12.5 73.75,0
GND on Bottom Layer "Top Layer-GND" (hatched 45Degree grid 0.508 track 0.203, pour order 6): 0,0 0,57.5 73.75,57.5 73.75,29.25 71,29.25 71,13.25 71,12.5 73.75,12.5 73.75,0

## Silkscreen, mask and mechanical layers (free items; w line width, h text height)
Top Overlay:
  region: 42.5,6.75 46,6.75 46.25,6.5 46.25,5.5 46,5.25 42.5,5.25 42.25,5.5 42.25,6.5
  region: 35,13 38.5,13 38.75,12.75 38.75,11.75 38.5,11.5 35,11.5 34.75,11.75 34.75,12.75
  lines w0.254: 35,10.75 38.5,10.75 ; 35,10.75 34.75,10.5 34.75,9.5 35,9.25 38.5,9.25 38.75,9.5 38.75,10.5 38.5,10.75 ; 35,10.75 35,10.75 ; 38.5,10.75 38.5,10.75 ; 42.5,4.5 42.5,4.5 ; 42.5,4.5 42.25,4.25 42.25,3.25 42.5,3 46,3 46.25,3.25 46.25,4.25 46,4.5 ; 42.5,4.5 46,4.5 ; 46,4.5 46,4.5 ; 34.75,11.75 35,11.5 38.5,11.5 38.75,11.75 38.75,12.75 38.5,13 35,13 34.75,12.75 34.75,11.75 ; 42.25,5.5 42.25,6.5 42.5,6.75 46,6.75 46.25,6.5 46.25,5.5 46,5.25 42.5,5.25 42.25,5.5
  text "6..15V" at 2,44 h1
  text "3.3" at 18.268,43.988 h0.9 r45
  text "sclk" at 20.75,44 h0.9 r45
  text "gnd" at 23.253,44 h0.9 r45
  text "sio" at 25.75,44 h0.9 r45
  text "pwm" at 4.104,39.331 h0.9
  text "nc" at 4.104,36.791 h0.9
  text "gnd" at 4.104,34.251 h0.9
  text "gnd" at 46.504,27.206 h0.9
  text "cts" at 46.504,24.556 h0.9
  text "rts" at 46.504,22.056 h0.9
  text "tx" at 46.504,19.511 h0.9
  text "rx" at 46.504,17.046 h0.9
  text "3.3" at 46.504,14.306 h0.9
  text "on" at 39.25,11.75 h0.8
  text "off" at 39.25,9.5 h0.8
  text "InviewLab 2014" at 0.5,8.75 h2
  text "ivovk" at 0.5,7.25 h1.5
  text "3.3" at 22.815,5.88 h0.9 r45
  text "nss" at 25.355,5.88 h0.9 r45
  text "sck" at 27.895,5.88 h0.9 r45
  text "miso" at 30.435,5.88 h0.9 r45
  text "mosi" at 32.975,5.88 h0.9 r45
  text "gnd" at 35.515,5.88 h0.9 r45
  text "high" at 46.75,5.5 h0.8
  text "low" at 46.75,3.25 h0.8
  text "Motor controller with Wi-Fi. rev 1" at 39,1 h2
Mechanical 13:
  the board outline again, w0.254